# Altium PCB Battman.PcbDoc (part 1 of 5) (continued)
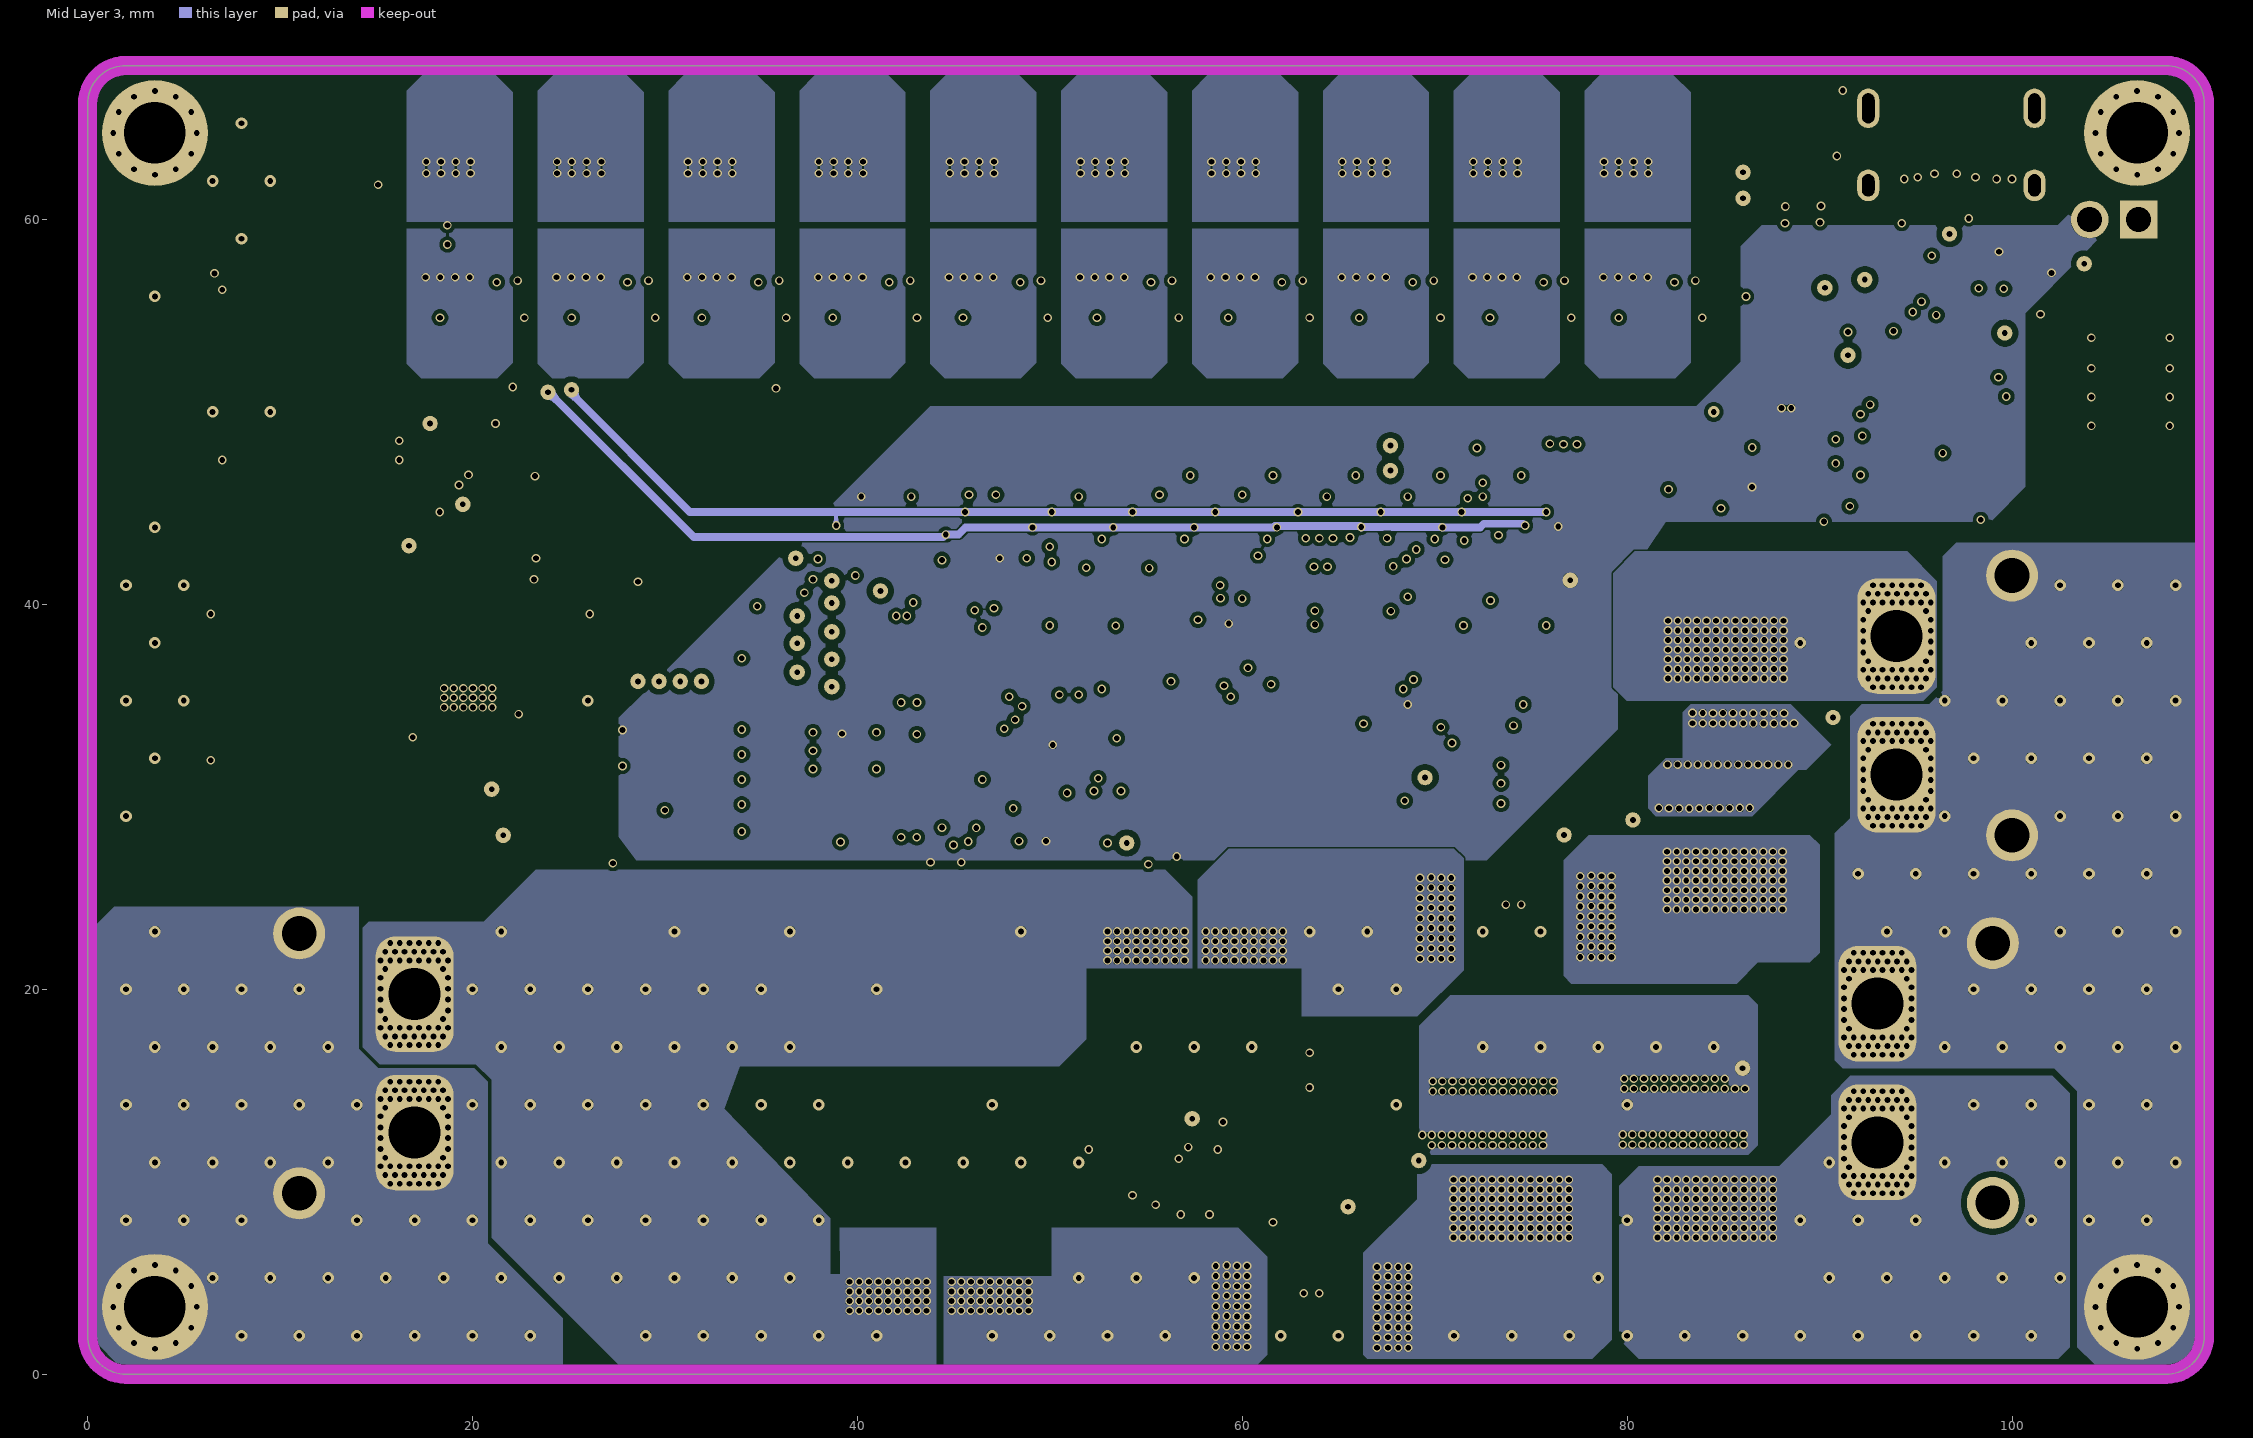
[diagram p4: Mid Layer 3]
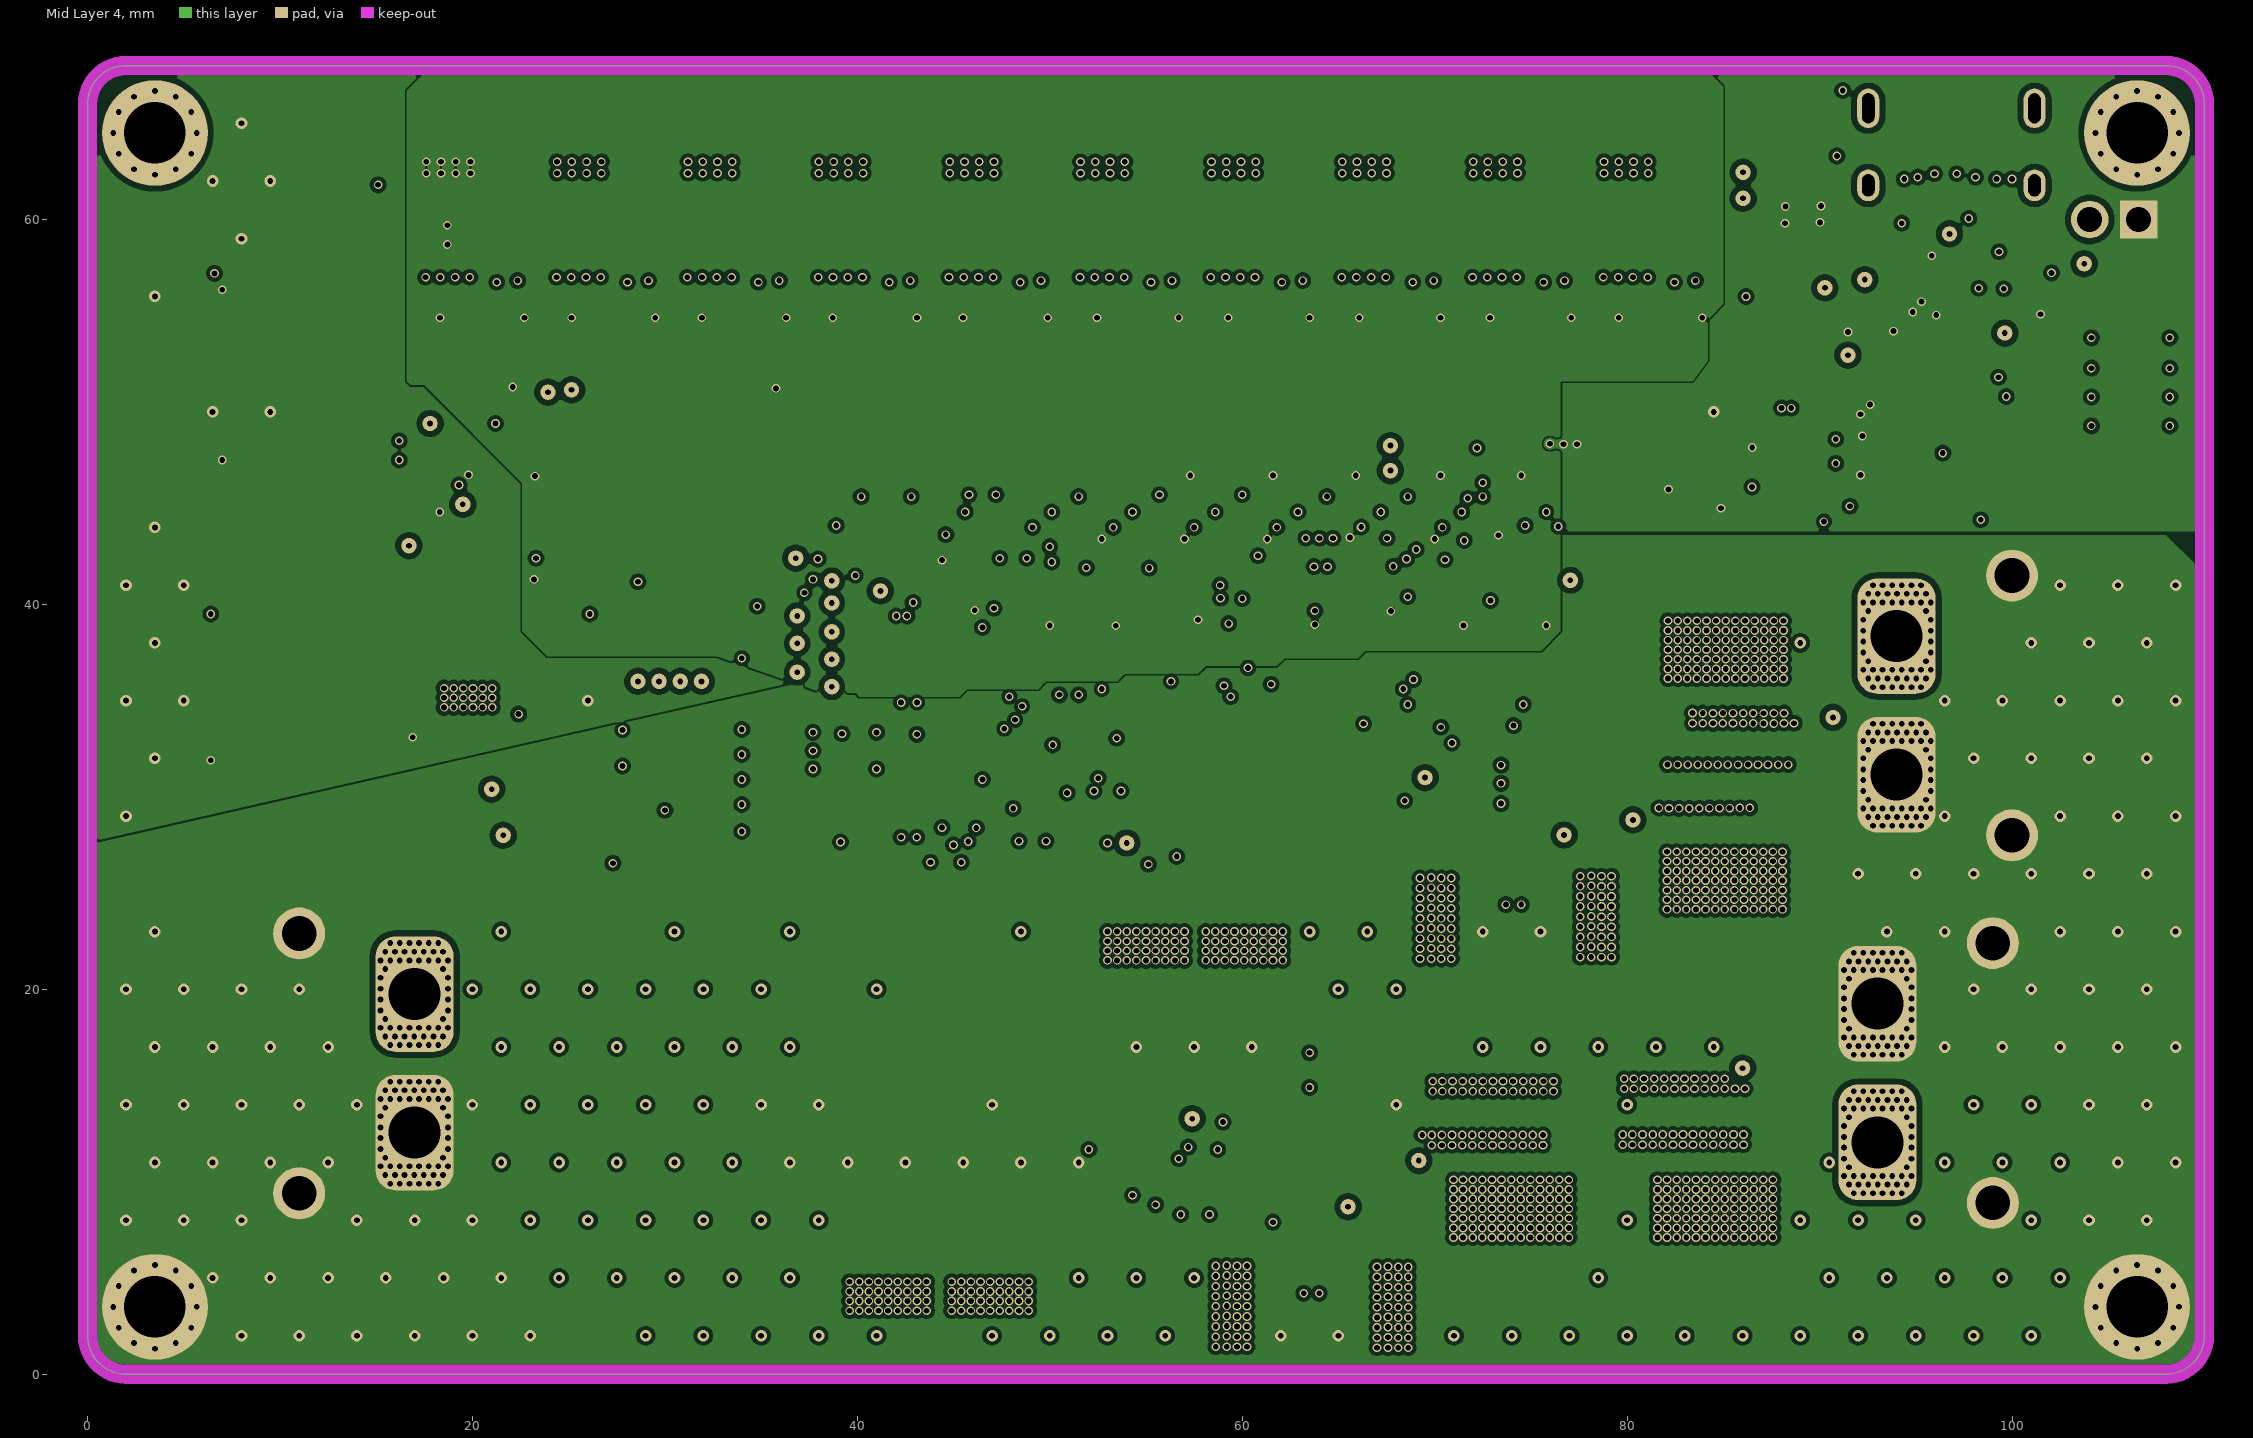
[diagram p5: Mid Layer 4]
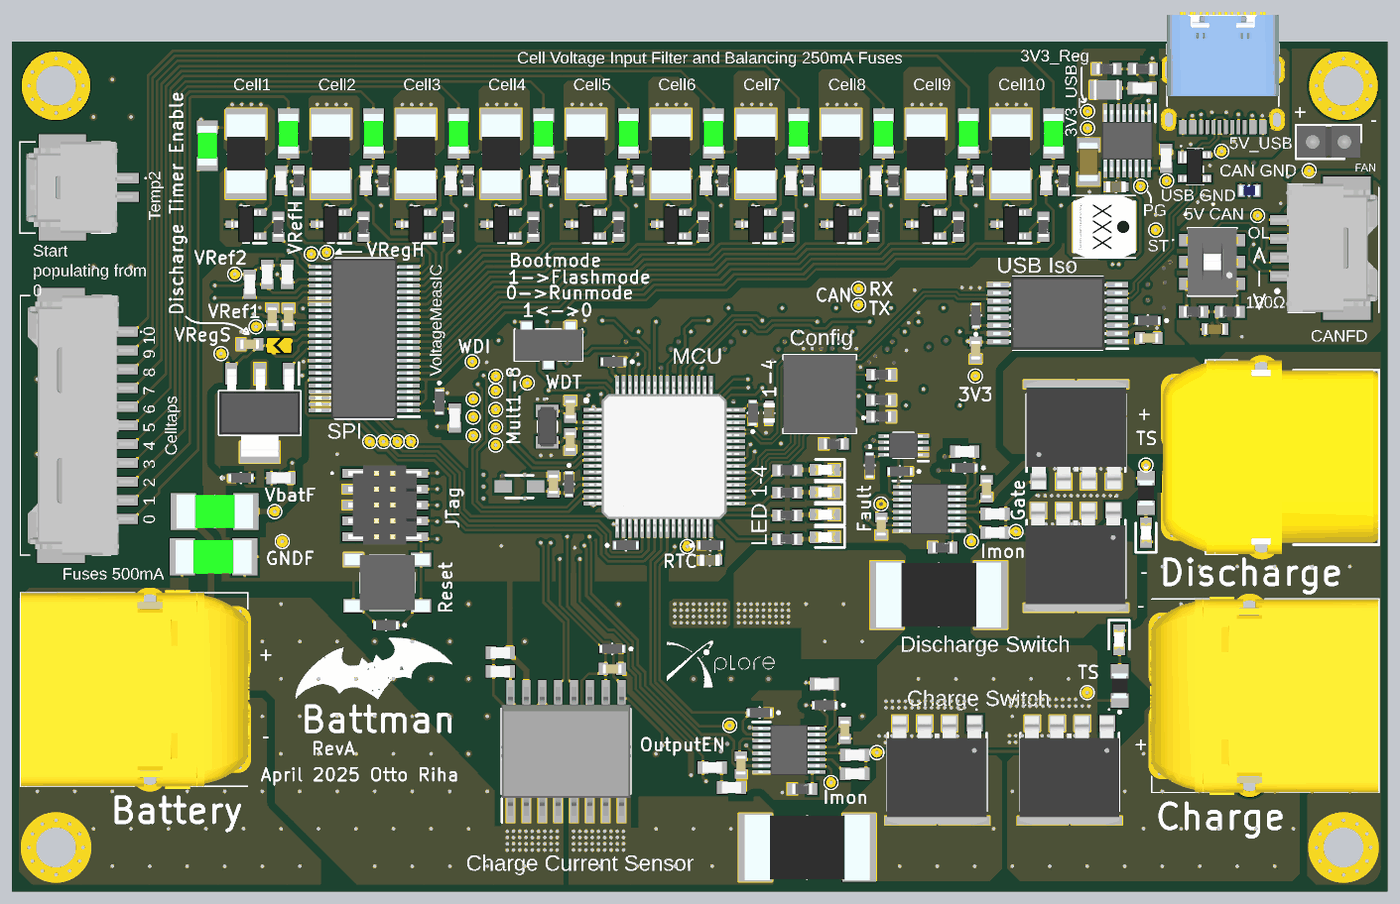
[diagram p10: 3D render of the assembled board from above, using the file's embedded part models]
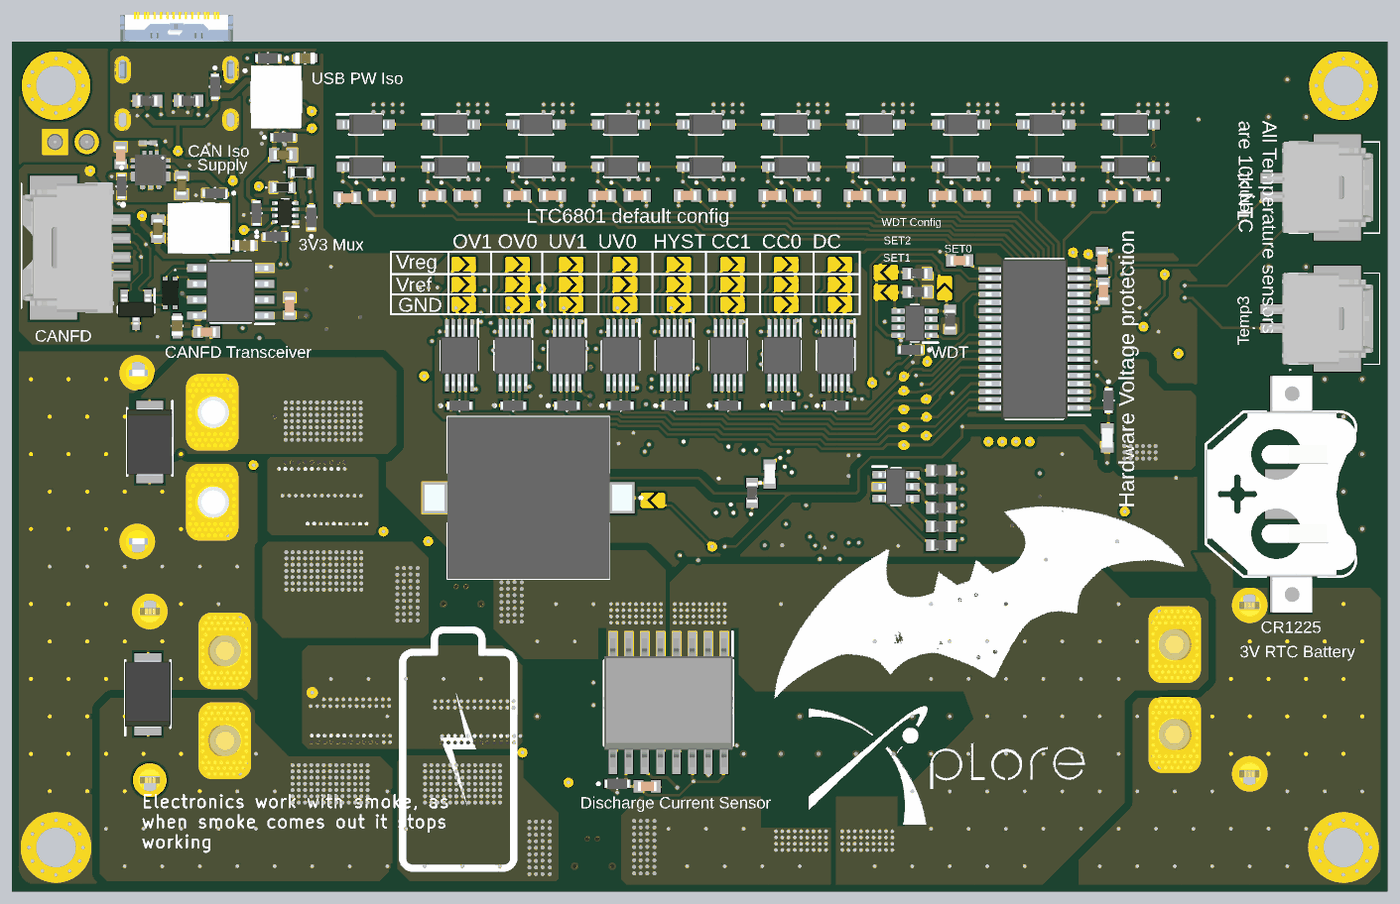
[diagram p11: 3D render of the assembled board from below, using the file's embedded part models]

## Layer stack, top to bottom
Top Solder: solder mask 0.0127, Solder Resist, Dk 3.8
Top Layer: signal copper 0.07
Dielectric 1: prepreg 0.084, PP-010, Dk 4.1
Dielectric 3: prepreg 0.0535, PP-006, Dk 4.1
Mid Layer 1: signal copper 0.061
Core: core 0.35, FR-4, Dk 4.6
Mid Layer 2: signal copper 0.061
Dielectric 6: prepreg 0.0535, PP-006, Dk 4.1
Dielectric 5: prepreg 0.084, PP-010, Dk 4.1
Dielectric 4: prepreg 0.0535, PP-006, Dk 4.1
Mid Layer 3: signal copper 0.061
Core2: core 0.035, FR-4, Dk 4.6
Mid Layer 4: signal copper 0.061
Dielectric 2: prepreg 0.0535, PP-006, Dk 4.1
Dielectric 8: prepreg 0.084, PP-010, Dk 4.1
Bottom Layer: signal copper 0.07
Bottom Solder: solder mask 0.0127, Solder Resist, Dk 3.8

## Board outline
2,0 108,0 ccw(c108,2) 110,2 110,66 ccw(c108,66) 108,68 2,68 ccw(c2,66) 0,66 0,2 ccw(c2,2)

## Design rules (kind name [scope] priority, off if disabled: settings)
BoardOutlineClearance [All] p1: gap=0.2 ignorepadtopadclearanceinfootprint=FALSE
Clearance ClearancePowerOuter [InNetClass('Batt+') and (OnLayer('Top Layer') Or OnLayer('Bottom Layer')) vs InNetClass('GND') and (OnLayer('Top Layer') Or OnLayer('Bottom Layer'))] p1: gap=0.6 ignorepadtopadclearanceinfootprint=TRUE
Clearance "Stitching V_Bat" [IsStitchingVia and InNet('V_Bat') vs (IsVia and (Not IsStitchingVia)) Or IsPad] p2: gap=0.127 ignorepadtopadclearanceinfootprint=FALSE
Clearance ClearanceMidLayers [OnLayer('Mid Layer 1') Or IsVia Or IsThruPin Or   OnLayer('Mid Layer 2') Or OnLayer('Mid Layer 3') Or OnLayer('Mid Layer 4') vs OnLayer('Mid Layer 1') Or OnLayer('Mid Layer 2') Or OnLayer('Mid Layer 3') Or OnLayer('Mid Layer 4')] p3: gap=0.102 ignorepadtopadclearanceinfootprint=TRUE except(0.127: Arc-Via Track-Via SMDPad-Via THPad-Via Via-Via Via-Text; 0.16: Arc-Arc Arc-Track Track-Track; 0.2: Via-Fill Via-Poly Via-Region; 0.25: Arc-Hole Track-Hole SMDPad-Hole THPad-Hole Via-Hole Fill-Hole Poly-Hole Region-Hole Text-Hole; 0.3: THPad-Fill THPad-Poly THPad-Region)
Clearance ClearanceOuterLayers [OnLayer('Top Layer') Or IsVia Or IsThruPin Or  OnLayer('Bottom Layer') vs OnLayer('Top Layer') Or IsVia Or IsThruPin Or  OnLayer('Bottom Layer')] p4: gap=0.203 ignorepadtopadclearanceinfootprint=TRUE except(0.1: Arc-SMDPad Track-SMDPad; 0.15: SMDPad-SMDPad; 0.16: Arc-Arc Arc-Track Track-Track; 0.25: Arc-Hole Track-Hole SMDPad-Hole THPad-Hole Via-Hole Fill-Hole Poly-Hole Region-Hole Text-Hole)
ComponentClearance [All] p1: gap=0.102 collisioncheckmode=3 verticalgap=0.102 showdistances=TRUE donotcheckwithout3dbody=TRUE
DiffPairsRouting DiffPairsRoutingCurrent [InDifferentialPair('Current1')  or InDifferentialPair('Current2')] p1: maxlimit=18 minlimit=0.18 mostfreqgap=0.18 toplayer_maxgap=0.18 toplayer_minwidth=0.2 toplayer_maxwidth=1 toplayer_prefwidth=0.203 midlayer1_maxgap=0.18 midlayer1_minwidth=0.2 midlayer1_maxwidth=1 midlayer1_prefwidth=0.203 midlayer2_maxgap=0.18 midlayer2_minwidth=0.2 midlayer2_maxwidth=1 midlayer2_prefwidth=0.203 midlayer3_maxgap=0.18 midlayer3_minwidth=0.2 midlayer3_maxwidth=1 midlayer3_prefwidth=0.203 midlayer4_minwidth=0.2 midlayer4_maxwidth=1 midlayer4_prefwidth=0.203 bottomlayer_minwidth=0.2 bottomlayer_maxwidth=1 bottomlayer_prefwidth=0.203 maxuncoupledlength=12.7
DiffPairsRouting DiffPairsRoutingUSB [InDifferentialPair('USB_D') Or InDifferentialPair('USB_ISO')] p2: maxlimit=0.16 minlimit=0.127 mostfreqgap=0.127 toplayer_mingap=0.16 toplayer_prefgap=0.16 toplayer_minwidth=0.163 toplayer_maxwidth=0.163 toplayer_prefwidth=0.163 midlayer1_maxgap=0.127 midlayer1_minwidth=0.053 midlayer1_maxwidth=0.053 midlayer1_prefwidth=0.053 midlayer2_maxgap=0.127 midlayer2_minwidth=0.012 midlayer2_maxwidth=0.012 midlayer2_prefwidth=0.012 midlayer3_maxgap=0.127 midlayer3_minwidth=0.061 midlayer3_maxwidth=0.061 midlayer3_prefwidth=0.061 midlayer4_maxgap=0.127 midlayer4_minwidth=0.012 midlayer4_maxwidth=0.012 midlayer4_prefwidth=0.012 bottomlayer_mingap=0.16 bottomlayer_prefgap=0.16 bottomlayer_minwidth=0.16 bottomlayer_maxwidth=0.16 bottomlayer_prefwidth=0.16 impedanceprofiledriven=TRUE impedanceprofileid={F0F40534-6C64-4AA6-A585-366F45DC4B07} impedanceprofilevalue=90.000000 maxuncoupledlength=12.7
DiffPairsRouting DiffPairsRoutingCAN [InDifferentialPair('CAN') or InDifferentialPair('CAN_Tr')] p3: maxlimit=0.5 minlimit=0.127 mostfreqgap=0.127 toplayer_mingap=0.5 toplayer_prefgap=0.5 toplayer_minwidth=0.16 toplayer_maxwidth=0.16 toplayer_prefwidth=0.16 midlayer1_maxgap=0.127 midlayer1_minwidth=0.032 midlayer1_maxwidth=0.032 midlayer1_prefwidth=0.032 midlayer2_maxgap=0.127 midlayer2_minwidth=0.032 midlayer2_maxwidth=0.032 midlayer2_prefwidth=0.032 midlayer3_maxgap=0.127 midlayer3_minwidth=0.016 midlayer3_maxwidth=0.016 midlayer3_prefwidth=0.016 midlayer4_maxgap=0.127 midlayer4_minwidth=0.017 midlayer4_maxwidth=0.017 midlayer4_prefwidth=0.017 bottomlayer_mingap=0.5 bottomlayer_prefgap=0.5 bottomlayer_minwidth=0.16 bottomlayer_maxwidth=0.16 bottomlayer_prefwidth=0.16 impedanceprofiledriven=TRUE impedanceprofileid={8C213F7E-AC58-4A1B-B499-BA9A8D8C9821} impedanceprofilevalue=120.000000 maxuncoupledlength=12.7
Height [All] p1: minheight=0 maxheight=1816.048 prefheight=12.7
HoleSize [All] p1: absolutevalues=TRUE maxlimit=6.3 minlimit=0.2 maxpercent=80.000 minpercent=20.000
HoleToHoleClearance ViaToHoleClearance [All vs IsVia] p1: gap=0.2 allowstackedmicrovias=TRUE
HoleToHoleClearance PadToHoleClearance [All] p2: gap=0.45 allowstackedmicrovias=FALSE
MinimumAnnularRing MinimumAnnularRingVia [IsVia] p1: minimumring=0.074
MinimumAnnularRing [All] p2: minimumring=0.25
MinimumSolderMaskSliver MinimumSolderMaskSliverJumr [HasFootprint('SOLDERJUMPER') vs HasFootprint('SOLDERJUMPER')] p1: minsoldermaskwidth=0
MinimumSolderMaskSliver [All] p2: minsoldermaskwidth=0.1
PlaneClearance PlaneClearanceMidLayer1 [OnLayer('Mid Layer 1')] p1: clearance=0.102
PlaneClearance PlaneClearanceMidLayer2 [OnLayer('Mid Layer 2')] p2: clearance=0.102
PlaneClearance PlaneClearanceTopLayer [OnLayer('Top Layer')] p3: clearance=0.203
PlaneClearance PlaneClearanceBottomLayer [OnLayer('Bottom Layer')] p4: clearance=0.203
PlaneConnect PlaneConnectPowerPads [InPadClass('PowerPads')] p1: planeconnectstyle=Direct reliefexpansion=0.508 reliefentries=4 reliefconductorwidth=0.254 reliefairgap=0.254
PlaneConnect PlaneConnectTopLayer [OnLayer('Top Layer')] p2: pad.planeconnectstyle=Relief pad.reliefexpansion=0.3 pad.reliefentries=4 pad.reliefconductorwidth=0.203 pad.reliefairgap=0.203 via.planeconnectstyle=Direct via.reliefexpansion=0.3 via.reliefentries=4 via.reliefconductorwidth=0.127 via.reliefairgap=0.127
PlaneConnect PlaneConnectBottomLayer [OnLayer('Bottom Layer')] p3: pad.planeconnectstyle=Relief pad.reliefexpansion=0.3 pad.reliefentries=4 pad.reliefconductorwidth=0.203 pad.reliefairgap=0.203 via.planeconnectstyle=Direct via.reliefexpansion=0.3 via.reliefentries=4 via.reliefconductorwidth=0.127 via.reliefairgap=0.127
PlaneConnect PlaneConnectMidLayer1 [OnLayer('Mid Layer 1')] p4: pad.planeconnectstyle=Relief pad.reliefexpansion=0.3 pad.reliefentries=4 pad.reliefconductorwidth=0.102 pad.reliefairgap=0.102 via.planeconnectstyle=Direct via.reliefexpansion=0.3 via.reliefentries=4 via.reliefconductorwidth=0.127 via.reliefairgap=0.127
PlaneConnect PlaneConnectMidLayer2 [OnLayer('Mid Layer 2')] p5: pad.planeconnectstyle=Relief pad.reliefexpansion=0.3 pad.reliefentries=4 pad.reliefconductorwidth=0.102 pad.reliefairgap=0.102 via.planeconnectstyle=Direct via.reliefexpansion=0.3 via.reliefentries=4 via.reliefconductorwidth=0.127 via.reliefairgap=0.127
PolygonConnect PolygonConnectPowerPads [Not HasFootprint('FUSC6127X294N') vs (InPadClass('PowerPads')) or HasFootprint('RESC6331X80N') or HasFootprint('SOT230P700X180-4N') or  HasFootprint('SQJQ160ET1_GE3') or  HasFootprint('RESC10052X63N') or  HasFootprint('SOIC127P1030X265-16N') OR  HasFootprint('SOP50P490X110-17N') or HasFootprint('CAPC3216X180N')   or InNet('5V_Reg') or InNet('NetC402_2')  or  HasFootprint('XT60PWF') or HasFootprint('XT60PWM') or HasFootprint('VISM3') or InNet('Bat_GND_Fused') or HasFootprint('SMBJ43A') or HasFootprint('VLS5045EX330M') or HasFootprint('CONV_R05C1TF05S-R')] p1: connectstyle=Direct reliefconductorwidth=0.254 reliefentries=4 polygonreliefangle="90 Angle" airgapwidth=0.254
PolygonConnect PolygonConnectMidLayers [OnLayer('Mid Layer 1') or OnLayer('Mid Layer 2') vs OnLayer('Mid Layer 1') or OnLayer('Mid Layer 2')] p2: thpad.connectstyle=Relief thpad.reliefconductorwidth=0.102 thpad.reliefentries=4 thpad.polygonreliefangle="90 Angle" thpad.airgapwidth=0.102 smdpad.connectstyle=Relief smdpad.reliefconductorwidth=0.102 smdpad.reliefentries=4 smdpad.polygonreliefangle="90 Angle" smdpad.airgapwidth=0.102 via.connectstyle=Direct via.reliefconductorwidth=0.127 via.reliefentries=4 via.polygonreliefangle="90 Angle" via.airgapwidth=0.127
PolygonConnect PolygonConnectOuterLayers [OnLayer('Top Layer') or OnLayer('Bottom Layer') vs OnLayer('Top Layer') or OnLayer('Bottom Layer')] p3: thpad.connectstyle=Relief thpad.reliefconductorwidth=0.203 thpad.reliefentries=4 thpad.polygonreliefangle="90 Angle" thpad.airgapwidth=0.203 smdpad.connectstyle=Relief smdpad.reliefconductorwidth=0.203 smdpad.reliefentries=4 smdpad.polygonreliefangle="90 Angle" smdpad.airgapwidth=0.203 via.connectstyle=Direct via.reliefconductorwidth=0.127 via.reliefentries=4 via.polygonreliefangle="90 Angle" via.airgapwidth=0.127
RoomDefinition Multiplexer1 [InComponentClass('Multiplexer1')] p1: confinementstyle=ConfineIn formatcopy=TRUE lockcomponents=FALSE outline 72,37.3 76.5,37.3 76.5,51.1 72,51.1
RoomDefinition Multiplexer2 [InComponentClass('Multiplexer2')] p2: confinementstyle=ConfineIn formatcopy=TRUE lockcomponents=FALSE outline 67.7,37.3 72.2,37.3 72.2,51.1 67.7,51.1
RoomDefinition Multiplexer3 [InComponentClass('Multiplexer3')] p3: confinementstyle=ConfineIn formatcopy=TRUE lockcomponents=FALSE outline 63.4,37.3 67.9,37.3 67.9,51.1 63.4,51.1
RoomDefinition Multiplexer6 [InComponentClass('Multiplexer6')] p4: confinementstyle=ConfineIn formatcopy=TRUE lockcomponents=FALSE outline 50.5,37.3 55,37.3 55,51.1 50.5,51.1
RoomDefinition Multiplexer7 [InComponentClass('Multiplexer7')] p5: confinementstyle=ConfineIn formatcopy=TRUE lockcomponents=FALSE outline 46.2,37.3 50.7,37.3 50.7,51.1 46.2,51.1
RoomDefinition Multiplexer8 [InComponentClass('Multiplexer8')] p6: confinementstyle=ConfineIn formatcopy=TRUE lockcomponents=FALSE outline 41.9,37.3 46.4,37.3 46.4,51.1 41.9,51.1
RoomDefinition SinglePath1 [InComponentClass('SinglePath1')] p7: confinementstyle=ConfineIn formatcopy=TRUE lockcomponents=FALSE outline 37.498,18.223 37.498,19.977 45.798,19.977 45.798,20.952 87.498,20.952 87.498,21.927 89.602,21.927 89.602,19.452 101.497,19.452 101.497,12.098 89.952,12.098 89.952,4.153 69.477,4.153 69.477,0.373 57.723,0.373 57.723,5.123 38.673,5.123 38.673,16.723 37.498,16.723 37.498,18.223
RoomDefinition SinglePath2 [InComponentClass('SinglePath2')] p8: confinementstyle=ConfineIn formatcopy=TRUE lockcomponents=FALSE outline 51.868,8.998 51.868,21.152 68.248,21.152 68.248,26.844 68.748,26.844 68.748,30.592 68.823,30.592 68.823,35.169 73.998,35.169 73.998,35.452 74.648,35.452 74.648,36.077 79.748,36.077 79.748,42.092 90.452,42.092 90.452,39.652 101.347,39.652 101.347,32.298 92.552,32.298 92.552,28.998 91.752,28.998 91.752,26.923 90.452,26.923 90.452,21.203 80.001,21.203 80.001,20.591 63.802,20.591 63.802,7.048 59.398,7.048 59.398,7.423 55.998,7.423 55.998,8.998
RoomDefinition Multiplexer4 [InComponentClass('Multiplexer4')] p9: confinementstyle=ConfineIn formatcopy=TRUE lockcomponents=FALSE outline 59.1,37.3 63.6,37.3 63.6,51.1 59.1,51.1
RoomDefinition Multiplexer5 [InComponentClass('Multiplexer5')] p10: confinementstyle=ConfineIn formatcopy=TRUE lockcomponents=FALSE outline 54.8,37.3 59.3,37.3 59.3,51.1 54.8,51.1
RoomDefinition CellFilter1 [InComponentClass('CellFilter1')] p11: confinementstyle=ConfineIn formatcopy=TRUE lockcomponents=FALSE outline 16.6,51.4 23.8,51.4 23.8,63.3 16.6,63.3
RoomDefinition CellFilter10 [InComponentClass('CellFilter10')] p12: confinementstyle=ConfineIn formatcopy=TRUE lockcomponents=FALSE outline 77.8,51.4 85,51.4 85,63.3 77.8,63.3
RoomDefinition CellFilter9 [InComponentClass('CellFilter9')] p13: confinementstyle=ConfineIn formatcopy=TRUE lockcomponents=FALSE outline 71,51.4 78.2,51.4 78.2,63.3 71,63.3
RoomDefinition CellFilter8 [InComponentClass('CellFilter8')] p14: confinementstyle=ConfineIn formatcopy=TRUE lockcomponents=FALSE outline 64.2,51.4 71.4,51.4 71.4,63.3 64.2,63.3
RoomDefinition CellFilter7 [InComponentClass('CellFilter7')] p15: confinementstyle=ConfineIn formatcopy=TRUE lockcomponents=FALSE outline 57.4,51.4 64.6,51.4 64.6,63.3 57.4,63.3
RoomDefinition CellFilter6 [InComponentClass('CellFilter6')] p16: confinementstyle=ConfineIn formatcopy=TRUE lockcomponents=FALSE outline 50.6,51.4 57.8,51.4 57.8,63.3 50.6,63.3
RoomDefinition CellFilter5 [InComponentClass('CellFilter5')] p17: confinementstyle=ConfineIn formatcopy=TRUE lockcomponents=FALSE outline 43.8,51.4 51,51.4 51,63.3 43.8,63.3
RoomDefinition CellFilter4 [InComponentClass('CellFilter4')] p18: confinementstyle=ConfineIn formatcopy=TRUE lockcomponents=FALSE outline 37,51.4 44.2,51.4 44.2,63.3 37,63.3
RoomDefinition CellFilter3 [InComponentClass('CellFilter3')] p19: confinementstyle=ConfineIn formatcopy=TRUE lockcomponents=FALSE outline 30.2,51.4 37.4,51.4 37.4,63.3 30.2,63.3
RoomDefinition CellFilter2 [InComponentClass('CellFilter2')] p20: confinementstyle=ConfineIn formatcopy=TRUE lockcomponents=FALSE outline 23.4,51.4 30.6,51.4 30.6,63.3 23.4,63.3
RoutingVias [All] p1: holewidth=0.3 width=0.45 viastyle="Through Hole" minholewidth=0.3 minwidth=0.45 maxholewidth=6.3 maxwidth=6.55
SilkToSilkClearance [All] p1: silktosilkclearance=0
SilkToSolderMaskClearance [IsPad] p1: minsilkscreentomaskgap=0.102 clearancetoexposedcopper=TRUE
SolderMaskExpansion SolderMaskExpansionVia [IsVia] p1: expansion=0.102 istentingtop=TRUE
SolderMaskExpansion [All] p2: expansion=0.075 istentingtop=FALSE
SupplyNets "Schematic Supply Nets_5" [InNet('VregA')] p1: voltage=0.000
SupplyNets "Schematic Supply Nets_21" [InNet('3.3VUSB')] p2: voltage=0.000
SupplyNets "Schematic Supply Nets_20" [InNet('CAN_GND')] p3: voltage=0.000
SupplyNets "Schematic Supply Nets_19" [InNet('3V3_Reg')] p4: voltage=0.000
SupplyNets "Schematic Supply Nets_18" [InNet('3V3A_Stm')] p5: voltage=0.000